# Altium PCB 2-quilter-output.pcbdoc (part 1 of 17) (continued)
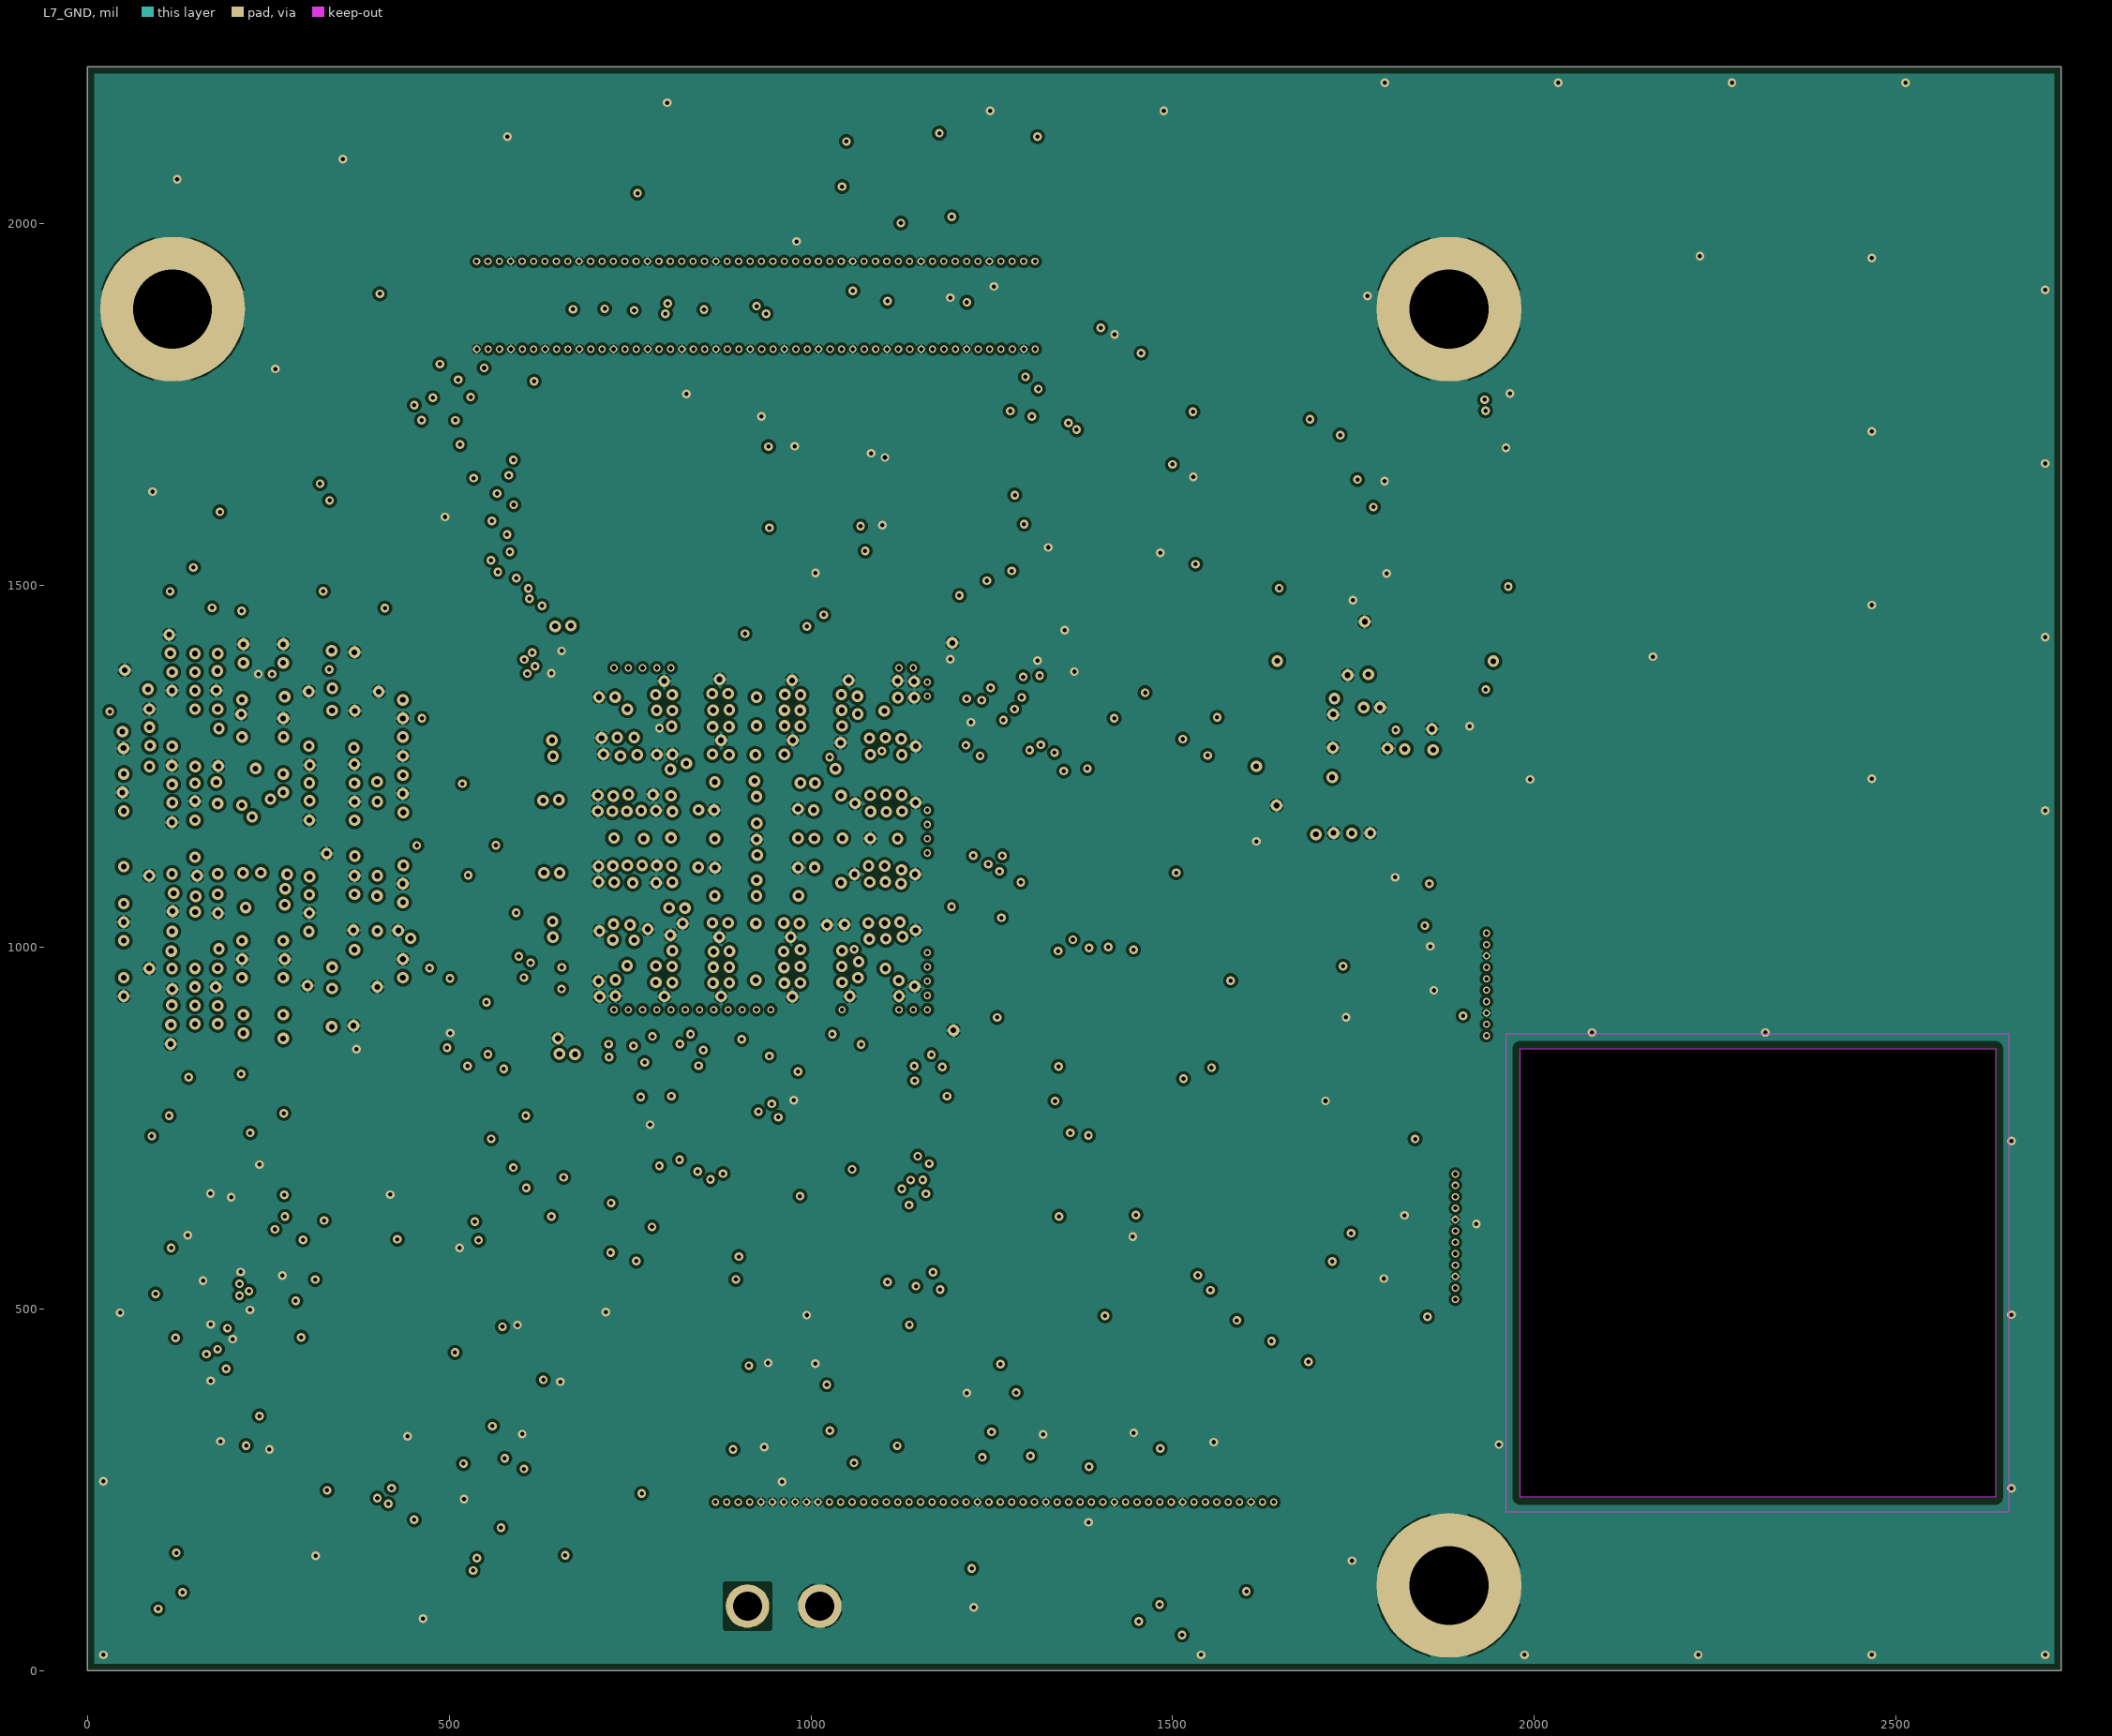
[diagram p7: L7_GND]

## Layer stack, top to bottom
Top Solder: solder mask 0.5, Solder Mask, Dk 4.2
L1_TOP: signal copper 0.7
Dielectric 1: core 1.76, 62519061-84cb-42eb-a939-afae2d0fe99d:VT47_1.9_106, Dk 3.5
L2_GND: signal copper 0.7
Dielectric2: core 4, e1549914-51d8-46bc-b2fd-9109de5410b9:VT47_4.0_1x2116, Dk 4.2
L3_INNER1: signal copper 0.7
Dielectric3: core 1.76, 62519061-84cb-42eb-a939-afae2d0fe99d:VT47_1.9_106, Dk 3.5
L4_GND: signal copper 0.7
Dielectric4: core 28, 1530a742-7de3-4c3e-a61b-9f6c5d76e18c:VT47_28.0_4x7628, Dk 4.3
L5_PWR: signal copper 0.7
Dielectric 2: core 1.76, 62519061-84cb-42eb-a939-afae2d0fe99d:VT47_1.9_106, Dk 3.5
L6_PWR: signal copper 0.7
Dielectric 4: core 4, e1549914-51d8-46bc-b2fd-9109de5410b9:VT47_4.0_1x2116, Dk 4.2
L7_GND: signal copper 0.7
Dielectric 6: core 1.76, 62519061-84cb-42eb-a939-afae2d0fe99d:VT47_1.9_106, Dk 3.5
L8_BOT: signal copper 0.7
Board Layer Stack Bottom Solder: solder mask 0.5, Solder Mask, Dk 4.2

## Board outline
0,0 0,2217 2728,2217 2728,0
cut-out: 1980,240 1980,860 2636.98,860 2636.98,240

## Design rules (kind name [scope] priority, off if disabled: settings)
BoardOutlineClearance [All] p1: gap=10 ignorepadtopadclearanceinfootprint=FALSE except(0: Arc-SplitContinuation Track-SplitContinuation SMDPad-SplitContinuation THPad-SplitContinuation Via-SplitContinuation Fill-SplitContinuation Poly-SplitContinuation Region-SplitContinuation Text-SplitContinuation; 18: Poly-OutlineEdge)
Clearance [All] p1: gap=2 ignorepadtopadclearanceinfootprint=FALSE
ComponentClearance [All] p1: gap=2 collisioncheckmode=3 verticalgap=10 showdistances=FALSE
DiffPairsRouting 85OHM_BGA [WithinRoom('Page05 LPDDR4') and (InDifferentialPairClass('PCIE') or InDifferentialPairClass('DDR_CK_DQS'))] p1: maxlimit=10 minlimit=3 mostfreqgap=10 toplayer_maxgap=3 toplayer_prefgap=3 toplayer_minwidth=3 toplayer_maxwidth=3 toplayer_prefwidth=3 midlayer1_minwidth=15 midlayer1_maxwidth=15 midlayer1_prefwidth=15 midlayer2_minwidth=15 midlayer2_maxwidth=15 midlayer2_prefwidth=15 midlayer3_minwidth=15 midlayer3_maxwidth=15 midlayer3_prefwidth=15 midlayer4_minwidth=15 midlayer4_maxwidth=15 midlayer4_prefwidth=15 midlayer5_minwidth=15 midlayer5_maxwidth=15 midlayer5_prefwidth=15 midlayer6_minwidth=15 midlayer6_maxwidth=15 midlayer6_prefwidth=15 bottomlayer_maxgap=3 bottomlayer_prefgap=3 bottomlayer_minwidth=3 bottomlayer_maxwidth=3 bottomlayer_prefwidth=3 impedanceprofiledriven=TRUE impedanceprofileid={D168FA85-2EEC-4EE3-AF9D-CB938A88ED88} maxuncoupledlength=100
DiffPairsRouting 90OHM_BGA [WithinRoom('Page05 LPDDR4') and InDifferentialPairClass('USB')] p2: maxlimit=10 minlimit=3.7 mostfreqgap=10 toplayer_maxgap=3.7 toplayer_prefgap=3.7 toplayer_minwidth=3 toplayer_maxwidth=3 toplayer_prefwidth=3 midlayer1_minwidth=15 midlayer1_maxwidth=15 midlayer1_prefwidth=15 midlayer2_minwidth=15 midlayer2_maxwidth=15 midlayer2_prefwidth=15 midlayer3_minwidth=15 midlayer3_maxwidth=15 midlayer3_prefwidth=15 midlayer4_minwidth=15 midlayer4_maxwidth=15 midlayer4_prefwidth=15 midlayer5_minwidth=15 midlayer5_maxwidth=15 midlayer5_prefwidth=15 midlayer6_minwidth=15 midlayer6_maxwidth=15 midlayer6_prefwidth=15 bottomlayer_maxgap=3.7 bottomlayer_prefgap=3.7 bottomlayer_minwidth=3 bottomlayer_maxwidth=3 bottomlayer_prefwidth=3 impedanceprofiledriven=TRUE impedanceprofileid={6DEB45DD-4A17-414F-8A2A-BD264922939F} maxuncoupledlength=100
DiffPairsRouting 85OHM_PHY [InDifferentialPairClass('DDR_CK_DQS') or InDifferentialPairClass('PCIE')] p3: maxlimit=4.8 minlimit=4.8 mostfreqgap=4.8 toplayer_minwidth=4.2 toplayer_maxwidth=4.2 toplayer_prefwidth=4.2 midlayer1_minwidth=15 midlayer1_maxwidth=15 midlayer1_prefwidth=15 midlayer2_minwidth=15 midlayer2_maxwidth=15 midlayer2_prefwidth=15 midlayer3_minwidth=15 midlayer3_maxwidth=15 midlayer3_prefwidth=15 midlayer4_minwidth=15 midlayer4_maxwidth=15 midlayer4_prefwidth=15 midlayer5_minwidth=15 midlayer5_maxwidth=15 midlayer5_prefwidth=15 midlayer6_minwidth=15 midlayer6_maxwidth=15 midlayer6_prefwidth=15 bottomlayer_minwidth=4.2 bottomlayer_maxwidth=4.2 bottomlayer_prefwidth=4.2 impedanceprofiledriven=TRUE impedanceprofileid={6907453C-A626-405D-8703-9336A532926F} maxuncoupledlength=100
DiffPairsRouting 90OHM_USB [InDifferentialPairClass('USB')] p4: maxlimit=4.9 minlimit=4.9 mostfreqgap=4.9 toplayer_minwidth=3.6 toplayer_maxwidth=3.6 toplayer_prefwidth=3.6 midlayer1_minwidth=15 midlayer1_maxwidth=15 midlayer1_prefwidth=15 midlayer2_minwidth=15 midlayer2_maxwidth=15 midlayer2_prefwidth=15 midlayer3_minwidth=15 midlayer3_maxwidth=15 midlayer3_prefwidth=15 midlayer4_minwidth=15 midlayer4_maxwidth=15 midlayer4_prefwidth=15 midlayer5_minwidth=15 midlayer5_maxwidth=15 midlayer5_prefwidth=15 midlayer6_minwidth=15 midlayer6_maxwidth=15 midlayer6_prefwidth=15 bottomlayer_minwidth=3.6 bottomlayer_maxwidth=3.6 bottomlayer_prefwidth=3.6 impedanceprofiledriven=TRUE impedanceprofileid={597AA8FC-5D8D-40BE-9CD2-4FFC23E6EB33} maxuncoupledlength=100
DiffPairsRouting 100OHM_MIPI [WithinRoom('Page05 LPDDR4') and  (InDifferentialPairClass('CSI') or InDifferentialPairClass('DSI'))] p5: maxlimit=10 minlimit=6 mostfreqgap=10 toplayer_maxgap=6 toplayer_prefgap=6 toplayer_minwidth=3 toplayer_maxwidth=3 toplayer_prefwidth=3 midlayer1_minwidth=15 midlayer1_maxwidth=15 midlayer1_prefwidth=15 midlayer2_minwidth=15 midlayer2_maxwidth=15 midlayer2_prefwidth=15 midlayer3_minwidth=15 midlayer3_maxwidth=15 midlayer3_prefwidth=15 midlayer4_minwidth=15 midlayer4_maxwidth=15 midlayer4_prefwidth=15 midlayer5_minwidth=15 midlayer5_maxwidth=15 midlayer5_prefwidth=15 midlayer6_minwidth=15 midlayer6_maxwidth=15 midlayer6_prefwidth=15 bottomlayer_maxgap=6 bottomlayer_prefgap=6 bottomlayer_minwidth=3 bottomlayer_maxwidth=3 bottomlayer_prefwidth=3 impedanceprofiledriven=TRUE impedanceprofileid={D29423FF-BA17-4326-BA4E-33D47D66EFA7} maxuncoupledlength=100
DiffPairsRouting [All] p6: maxlimit=10 minlimit=6 mostfreqgap=10 toplayer_maxgap=6 toplayer_prefgap=6 toplayer_minwidth=3 toplayer_maxwidth=3 toplayer_prefwidth=3 midlayer1_minwidth=15 midlayer1_maxwidth=15 midlayer1_prefwidth=15 midlayer2_minwidth=15 midlayer2_maxwidth=15 midlayer2_prefwidth=15 midlayer3_minwidth=15 midlayer3_maxwidth=15 midlayer3_prefwidth=15 midlayer4_minwidth=15 midlayer4_maxwidth=15 midlayer4_prefwidth=15 midlayer5_minwidth=15 midlayer5_maxwidth=15 midlayer5_prefwidth=15 midlayer6_minwidth=15 midlayer6_maxwidth=15 midlayer6_prefwidth=15 bottomlayer_maxgap=6 bottomlayer_prefgap=6 bottomlayer_minwidth=3 bottomlayer_maxwidth=3 bottomlayer_prefwidth=3 impedanceprofiledriven=TRUE impedanceprofileid={D29423FF-BA17-4326-BA4E-33D47D66EFA7} maxuncoupledlength=50
HoleSize [All] p1: absolutevalues=TRUE maxlimit=100 minlimit=5.9 maxpercent=80.000 minpercent=20.000
Length "Schematic Length Constraint_2" [InDifferentialPairClass('DDR_CK_DQS')] p1: maxlimit=100000 minlimit=0 usedelayunits=TRUE mindelay=0.000000 maxdelay=200.000000
MatchedLengths DRAMB_CA [InNetClass('DRAMB_CA')] p1: tolerance=1000 checknetsindiffpair=FALSE checkdiffpairvsdiffpair=TRUE checkxsignals=TRUE checkothers=TRUE usedelayunits=TRUE delaytolerance=25.000000
MatchedLengths DDR_PAIRS [InDifferentialPairClass('DDR_CK_DQS')] p2: tolerance=1000 checknetsindiffpair=TRUE checkdiffpairvsdiffpair=FALSE checkxsignals=FALSE checkothers=FALSE usedelayunits=TRUE delaytolerance=1.000000
MatchedLengths DDR_DQS_to_CLK [InDifferentialPairClass('DDR_CK_DQS')] p3: tolerance=1000 checknetsindiffpair=FALSE checkdiffpairvsdiffpair=TRUE checkxsignals=TRUE checkothers=TRUE usedelayunits=TRUE delaytolerance=85.000000
MatchedLengths DRAMA_CA [InNetClass('DRAMA_CA')] p4: tolerance=1000 checknetsindiffpair=FALSE checkdiffpairvsdiffpair=TRUE checkxsignals=TRUE checkothers=TRUE usedelayunits=TRUE delaytolerance=25.000000
MatchedLengths DDR_BYTE0 [InNetClass('DRAM_BYTE0')] p5: tolerance=1000 checknetsindiffpair=FALSE checkdiffpairvsdiffpair=TRUE checkxsignals=TRUE checkothers=TRUE usedelayunits=TRUE delaytolerance=10.000000
MatchedLengths DDR_BYTE1 [InNetClass('DRAM_BYTE1')] p6: tolerance=1000 checknetsindiffpair=FALSE checkdiffpairvsdiffpair=TRUE checkxsignals=TRUE checkothers=TRUE usedelayunits=TRUE delaytolerance=10.000000
MatchedLengths DDR_BYTE3 [InNetClass('DRAM_BYTE3')] p7: tolerance=1000 checknetsindiffpair=FALSE checkdiffpairvsdiffpair=TRUE checkxsignals=TRUE checkothers=TRUE usedelayunits=TRUE delaytolerance=10.000000
MatchedLengths DDR_BYTE2 [InNetClass('DRAM_BYTE2')] p8: tolerance=1000 checknetsindiffpair=FALSE checkdiffpairvsdiffpair=TRUE checkxsignals=TRUE checkothers=TRUE usedelayunits=TRUE delaytolerance=10.000000
MatchedLengths QSPI [InNetClass('QSPI')] p9: tolerance=200 checknetsindiffpair=FALSE checkdiffpairvsdiffpair=TRUE checkxsignals=TRUE checkothers=TRUE usedelayunits=TRUE delaytolerance=100.000000
MatchedLengths EMMC [InNetClass('EMMC_SD3')] p10: tolerance=200 checknetsindiffpair=FALSE checkdiffpairvsdiffpair=TRUE checkxsignals=TRUE checkothers=TRUE usedelayunits=TRUE delaytolerance=100.000000
MinimumAnnularRing [All] p1: minimumring=3.05
PlaneConnect [All] p1: planeconnectstyle=Direct reliefexpansion=20 reliefentries=4 reliefconductorwidth=10 reliefairgap=10
PolygonConnect [All] p1: connectstyle=Direct reliefconductorwidth=10 reliefentries=4 polygonreliefangle="90 Angle" airgapwidth=10
RoomDefinition CPU [InComponentClass('CPU')] p1: confinementstyle=ConfineIn formatcopy=TRUE lockcomponents=FALSE outline 0,0 2000,0 2000,1000 0,1000
RoomDefinition "Page12 PMIC" [InComponentClass('Page12 PMIC')] p2: confinementstyle=ConfineIn formatcopy=TRUE lockcomponents=FALSE outline 20,15 1700,15 1700,1960 20,1960
RoomDefinition "Page09 eMMC_QSPI" [InComponentClass('Page09 eMMC_QSPI')] p3: confinementstyle=ConfineIn formatcopy=TRUE lockcomponents=FALSE outline 1370,910 2685,910 2685,1755 1370,1755
RoomDefinition "Page05 LPDDR4" [InComponentClass('Page05 LPDDR4')] p4: confinementstyle=ConfineIn formatcopy=TRUE lockcomponents=FALSE outline -90,715 1225,715 1225,1570 -90,1570
RoutingVias [All] p1: holewidth=5.9 width=12 viastyle="Through Hole" minholewidth=5.9 minwidth=12 maxholewidth=28 maxwidth=50
SolderMaskExpansion Vias [IsVia and Not IsTestpoint] p1: expansion=0 istentingtop=TRUE
SolderMaskExpansion [All] p2: expansion=0 istentingtop=FALSE
SupplyNets "Schematic Supply Nets_18" [InNet('VDD_DRAM&PU_0V9')] p1: voltage=900.0m
SupplyNets "Schematic Supply Nets_17" [InNet('VDD_ARM_0V9')] p2: voltage=900.0m
SupplyNets "Schematic Supply Nets_16" [InNet('VDD_PHY_0V9')] p3: voltage=900.0m
SupplyNets "Schematic Supply Nets_15" [InNet('VDD_SOC_0V8')] p4: voltage=800.0m
SupplyNets "Schematic Supply Nets_14" [InNet('VDD_SNVS_0V8')] p5: voltage=800.0m
SupplyNets "Schematic Supply Nets_13" [InNet('VSYS_5V')] p6: voltage=5.000
SupplyNets "Schematic Supply Nets_12" [InNet('SWOUT_3V3')] p7: voltage=3.300
SupplyNets "Schematic Supply Nets_11" [InNet('VDD_3V3')] p8: voltage=3.300
SupplyNets "Schematic Supply Nets_10" [InNet('NVCC_SD2')] p9: voltage=3.300
SupplyNets "Schematic Supply Nets_9" [InNet('USB1_VBUS')] p10: voltage=3.300
SupplyNets "Schematic Supply Nets_8" [InNet('NVCC_ENET')] p11: voltage=3.300
SupplyNets "Schematic Supply Nets_7" [InNet('USB2_VBUS')] p12: voltage=3.300
SupplyNets "Schematic Supply Nets_6" [InNet('NVCC_SNVS_1V8')] p13: voltage=1.800
SupplyNets "Schematic Supply Nets_5" [InNet('VDD_1V8')] p14: voltage=1.800
SupplyNets "Schematic Supply Nets_4" [InNet('WIFI_1V8')] p15: voltage=1.800
SupplyNets "Schematic Supply Nets_3" [InNet('VDDA_1V8')] p16: voltage=1.800
SupplyNets "Schematic Supply Nets_2" [InNet('VDD_PHY_1V2')] p17: voltage=1.200
SupplyNets "Schematic Supply Nets_1" [InNet('NVCC_DRAM_1V1')] p18: voltage=1.100
SupplyNets "Schematic Supply Nets" [InNet('GND')] p19: voltage=0.000
Width [All] p1: maxlimit=100 minlimit=2 preferedwidth=2
26 further rules are at their usual default settings.

## Classes and differential pairs
differential pair class USB: USB1 USB2
component class CPU: U1
differential pair class PCIE: PCIE_CLK PCIE_RX PCIE_TX
differential pair class DSI: DSI_CK DSI_D0 DSI_D1 DSI_D2 DSI_D3
differential pair class DDR_CK_DQS: DRAMA_CK DRAMA_SDQS0 DRAMA_SDQS1 DRAMB_CK DRAMB_SDQS0 DRAMB_SDQS1
differential pair class CSI: CSI_CK CSI_D0 CSI_D1 CSI_D2 CSI_D3
net class UART: UART1_CTS UART1_RTS UART1_RXD UART1_TXD UART2_RXD UART2_TXD UART3_CTS UART3_RTS UART3_RXD UART3_TXD UART4_RXD UART4_TXD
net class SD2: SD2_CLK SD2_CMD SD2_DATA0 SD2_DATA1 SD2_DATA2 SD2_DATA3 SD2_nCD SD2_nRST SD2_WP
net class SD1: BT_WAKE_DEV BT_WAKE_HOST SD1_CLK SD1_CMD SD1_DATA0 SD1_DATA1 SD1_DATA2 SD1_DATA3 SD1_STROBE WL_REG_ON WL_WAKE_DEV WL_WAKE_HOST
net class QSPI: QSPIA_DATA0 QSPIA_DATA1 QSPIA_DATA2 QSPIA_DATA3 QSPIA_nSS0 QSPIA_SCLK
net class POWER: GND NVCC_DRAM_1V1 NVCC_ENET NVCC_SD2 NVCC_SNVS_1V8 SWOUT_3V3 USB1_VBUS USB2_VBUS VDD_1V8 VDD_3V3 VDD_ARM_0V9 VDD_DRAM&PU_0V9 VDD_PHY_0V9 VDD_PHY_1V2 VDD_SNVS_0V8 VDD_SOC_0V8 VDDA_1V8 VSYS_5V
net class NAND: QSPIA_DATA0 QSPIA_DATA1 QSPIA_DATA2 QSPIA_DATA3 QSPIA_nSS0 QSPIA_SCLK SD3_CLK SD3_CMD SD3_DATA0 SD3_DATA1 SD3_DATA2 SD3_DATA3 SD3_DATA4 SD3_DATA5 SD3_DATA6 SD3_DATA7 SD3_STROBE SYS_STATUS
net class I2C: I2C1_SCL I2C1_SDA I2C2_SCL I2C2_SDA I2C3_SCL I2C3_SDA I2C4_SCL I2C4_SDA
net class ETH: ENET_MDC ENET_MDIO ENET_RD0 ENET_RD1 ENET_RD2 ENET_RD3 ENET_RX_CTL ENET_RXC ENET_TD0 ENET_TD1 ENET_TD2 ENET_TD3 ENET_TX_CTL ENET_TXC
net class EMMC_SD3: SD3_CLK SD3_CMD SD3_DATA0 SD3_DATA1 SD3_DATA2 SD3_DATA3 SD3_DATA4 SD3_DATA5 SD3_DATA6 SD3_DATA7
net class DRAMB_CA: DRAMB_CA0 DRAMB_CA1 DRAMB_CA2 DRAMB_CA3 DRAMB_CA4 DRAMB_CA5 DRAMB_CK_C DRAMB_CK_T DRAMB_CKE0 DRAMB_CKE1 DRAMB_nCS0 DRAMB_nCS1
net class DRAMA_CA: DRAMA_CA0 DRAMA_CA1 DRAMA_CA2 DRAMA_CA3 DRAMA_CA4 DRAMA_CA5 DRAMA_CK_C DRAMA_CK_T DRAMA_CKE0 DRAMA_CKE1 DRAMA_nCS0 DRAMA_nCS1
net class DRAM_BYTE3: DRAMA_DATA0 DRAMA_DATA1 DRAMA_DATA2 DRAMA_DATA3 DRAMA_DATA4 DRAMA_DATA5 DRAMA_DATA6 DRAMA_DATA7 DRAMA_DMI0 DRAMA_SDQS0_C DRAMA_SDQS0_T
net class DRAM_BYTE2: DRAMA_DATA8 DRAMA_DATA9 DRAMA_DATA10 DRAMA_DATA11 DRAMA_DATA12 DRAMA_DATA13 DRAMA_DATA14 DRAMA_DATA15 DRAMA_DMI1 DRAMA_SDQS1_C DRAMA_SDQS1_T
net class DRAM_BYTE1: DRAMB_DATA8 DRAMB_DATA9 DRAMB_DATA10 DRAMB_DATA11 DRAMB_DATA12 DRAMB_DATA13 DRAMB_DATA14 DRAMB_DATA15 DRAMB_DMI1 DRAMB_SDQS1_C DRAMB_SDQS1_T
net class DRAM_BYTE0: DRAMB_DATA0 DRAMB_DATA1 DRAMB_DATA2 DRAMB_DATA3 DRAMB_DATA4 DRAMB_DATA5 DRAMB_DATA6 DRAMB_DATA7 DRAMB_DMI0 DRAMB_SDQS0_C DRAMB_SDQS0_T
component class "Page13 SOM Interface": BH1 BH2 BH3 C2 C401 C402 C403 C404 J4 J5 J7 J8 R116
component class "Page12 PMIC": C10 C11 C12 C13 C275 C279 C281 C283 C285 C287 C295 C298 C299 C301 C303 C304 C306 C307 C311 C312 C316 C317 C323 C324 C333 C337 C360 C363 C365 C406 C407 C408 C410 J6 L5 L6 L10 L11 L13 L15 QZ2 R48 R51 R52 R54 R55 R57 R106 R111 R114 R127 R140 R141 R142 R143 R144 R145 R146 U8 U10
component class "Page11 BOOT_CFG": R47 R71 R72 R75 R76 R79 R95 R97
component class "Page09 eMMC_QSPI": C127 C128 C129 C130 C131 C132 C133 C136 C137 C138 C139 R37 R117 R118 U4 U5
component class "Page08 CPU MISC": C123 C124 R18 R20 R21 R23 R26 R100 R102 R103 R113 R134 R135 Y1
component class "Page07 CPU PHY": C393 C394 R28 R29 R30 R108 R109
component class "Page06 CPU IO": C245 D1 Q1 R10 R11 R12 R13 R14 R15 R16 R17 R119 R120 R125 R133
component class "Page05 LPDDR4": C105 C106 C108 C109 C110 C111 C112 C113 C114 C115 C117 C118 C119 C370 C371 C372 C373 C374 C375 C376 C378 C379 C380 C381 C382 C384 R4 R5 R6 R7 R8 R9 R121 R122 R123 R124 U1 U2
component class "Page04 CPU PWR": C1 C3 C5 C6 C8 C9 C15 C16 C17 C20 C21 C23 C30 C33 C35 C36 C48 C54 C55 C61 C65 C74 C78 C88 C89 C90 C91 C92 C93 C94 C95 C99 C100 C101 C104 C234 C235 C241 C244 C247 C248 C251 C253 C254 C255 C256 C260 C264 C265 C266 C267 C268 C391 C392 C400 C405
differential pair PCIE_TX: +PCIE_TX_P -PCIE_TX_N
differential pair PCIE_RX: +PCIE_RX_P -PCIE_RX_N
differential pair PCIE_CLK: +PCIE_CLK_P -PCIE_CLK_N
differential pair DSI_D3: +DSI_D3_P -DSI_D3_N
differential pair DSI_D2: +DSI_D2_P -DSI_D2_N
differential pair DSI_D1: +DSI_D1_P -DSI_D1_N
differential pair DSI_D0: +DSI_D0_P -DSI_D0_N
differential pair DSI_CK: +DSI_CK_P -DSI_CK_N
differential pair CSI_D3: +CSI_D3_P -CSI_D3_N
differential pair CSI_D2: +CSI_D2_P -CSI_D2_N
differential pair CSI_D1: +CSI_D1_P -CSI_D1_N
differential pair CSI_D0: +CSI_D0_P -CSI_D0_N
differential pair CSI_CK: +CSI_CK_P -CSI_CK_N
differential pair DRAMB_SDQS1: +DRAMB_SDQS1_T -DRAMB_SDQS1_C
differential pair DRAMB_SDQS0: +DRAMB_SDQS0_T -DRAMB_SDQS0_C
differential pair DRAMB_CK: +DRAMB_CK_T -DRAMB_CK_C
differential pair DRAMA_SDQS1: +DRAMA_SDQS1_T -DRAMA_SDQS1_C
differential pair DRAMA_SDQS0: +DRAMA_SDQS0_T -DRAMA_SDQS0_C
differential pair DRAMA_CK: +DRAMA_CK_T -DRAMA_CK_C
differential pair DIFFPAIR4: +USB2_DP -USB2_DN
differential pair DIFFPAIR5: +USB1_DP -USB1_DN

## Components (designator, comment, footprint, x,y, rotation, side; value= is the part's Value field where it differs from the comment)
BH1 "MOUNTING HOLE" GNDPOINT256 1881.85,1881.82 r0 top
BH2 "MOUNTING HOLE" GNDPOINT256 1881.85,118.04 r0 top
BH3 "MOUNTING HOLE" GNDPOINT256 118.07,1881.82 r0 top
C1 "0.22UF" 0201_CC 940.29,1286.45 r0 bottom
C2 "2.2uF" 0402_CC 1083.09,924.5 r270 bottom
C3 "0.22UF" 0201_CC 1060.77,1065.24 r270 bottom
C5 "0.22UF" 0201_CC 905,1274.32 r90 bottom
C6 "0.22UF" 0201_CC 1014.29,1010.06 r0 bottom
C8 "0.22UF" 0201_CC 845.89,1277.9 r90 bottom
C9 "0.22UF" 0201_CC 1145.86,1229.43 r0 bottom
C10 "1.0UF" 0402_CC 325,590 r270 bottom
C11 "2.2uF" 0402_CC 235,570 r180 bottom
C12 "2.2uF" 0402_CC 250,520 r270 bottom
C13 "2.2uF" 0402_CC 290,550 r270 bottom
C15 "1uF" 0201_CC 992.36,1090.78 r180 bottom
C16 "1uF" 0201_CC 894.75,1168.18 r180 bottom
C17 "0.22UF" 0201_CC 1157.64,1079.31 r0 bottom
C20 "10uF" 0402_cc_nsp 890.07,1211.02 r270 bottom
C21 "0.22UF" 0201_CC 906.93,927.76 r180 bottom
C23 "0.22UF" 0201_CC 1027.15,1060.73 r270 bottom
C30 "0.22UF" 0201_CC 1060.23,1265.51 r90 bottom
C33 "10uF" 0402_cc_nsp 953.1,1079.94 r90 bottom
C35 "1uF" 0201_CC 903.85,1132.42 r90 bottom
C36 "1uF" 0201_CC 943.44,1027.66 r270 bottom
C48 "1uF" 0201_CC 844.62,1054.52 r270 bottom
C54 "1uF" 0201_CC 866.82,1130.41 r180 bottom
C55 "10uF" 0402_cc_nsp 892.54,1079.93 r90 bottom
C61 "1uF" 0201_CC 840.45,1091.56 r0 bottom
C65 "1uF" 0201_CC 941.7,1249.11 r90 bottom
C74 "1uF" 0201_CC 842.41,1171.19 r0 bottom
C78 "1uF" 0201_CC 847.27,1208.61 r0 bottom
C88 "10uF" 0402_cc_nsp 767.58,1058.1 r180 bottom
C89 "10uF" 0402_cc_nsp 768.25,1234 r180 bottom
C90 "1uF" 0201_CC 827.25,1134.41 r270 bottom
C91 "1uF" 0201_CC 748.42,1143.48 r90 bottom
C92 "1uF" 0201_CC 785.15,1169.51 r180 bottom
C93 "1uF" 0201_CC 788.71,1131.11 r180 bottom
C94 "1uF" 0201_CC 808.89,1284.9 r180 bottom
C95 "1uF" 0201_CC 833.89,1233.61 r0 bottom
C99 "0.22UF" 0201_CC 931.79,989.41 r0 bottom
C100 "0.22UF" 0201_CC 931.89,1325.9 r0 bottom
C101 "0.22UF" 0201_CC 1028.89,1123.9 r270 bottom
C104 "0.22UF" 0201_CC 1065.54,1131.45 r0 bottom
C105 "10uF" 0402_cc_nsp 86.19,837.6 r90 bottom
C106 "10uF" 0402_cc_nsp 54.89,1335.9 r90 bottom
C108 "10uF" 0402_cc_nsp 148.58,1285.83 r90 bottom
C109 "10uF" 0402_cc_nsp 298.93,1314.99 r90 bottom
C110 "10uF" 0402_cc_nsp 242.89,1327.9 r270 bottom
C111 "10uF" 0402_cc_nsp 343,1194.65 r90 bottom
C112 "10uF" 0402_cc_nsp 357.23,1434.05 r0 bottom
C113 "10uF" 0402_cc_nsp 460.89,1260.9 r90 bottom
C114 "0.22uF" 0201_CC 147.02,1427.27 r180 bottom
C115 "10uF" 0402_cc_nsp 241.39,993.9 r270 bottom
C117 "10uF" 0402_cc_nsp 405.89,1132.9 r0 bottom
C118 "10uF" 0402_cc_nsp 346.54,1260.68 r270 bottom
C119 "10uF" 0402_cc_nsp 462.5,1106.21 r270 bottom
C123 "12pF" 0201_CC 1326.68,1527.24 r90 top
C124 "12pF" 0201_CC 1327.3,1407.02 r270 top
C127 "4.7uF" cc0402_tol0p15 1890,1290 r90 bottom
C128 "0.22UF" 0201_CC 1699.59,1334.89 r270 bottom
C129 "0.22UF" 0201_CC 1774.16,1354.01 r0 bottom
C130 "10uF" 0402_cc_nsp 1694.3,1254.19 r90 bottom
C131 "0.22UF" 0201_CC 1752.7,1399.15 r180 bottom
C132 "0.22UF" 0201_CC 1761,1181 r0 bottom
C133 "0.22UF" 0201_CC 1713,1181 r0 bottom
C136 "0.22UF" 0201_CC 1689.89,1401.66 r0 bottom
C137 "1uF" 0201_CC 1689.89,1375.66 r0 bottom
C138 "0.22UF" 0201_CC 1946,1701 r270 top